# KiCad board Env-KB60F.kicad_pcb
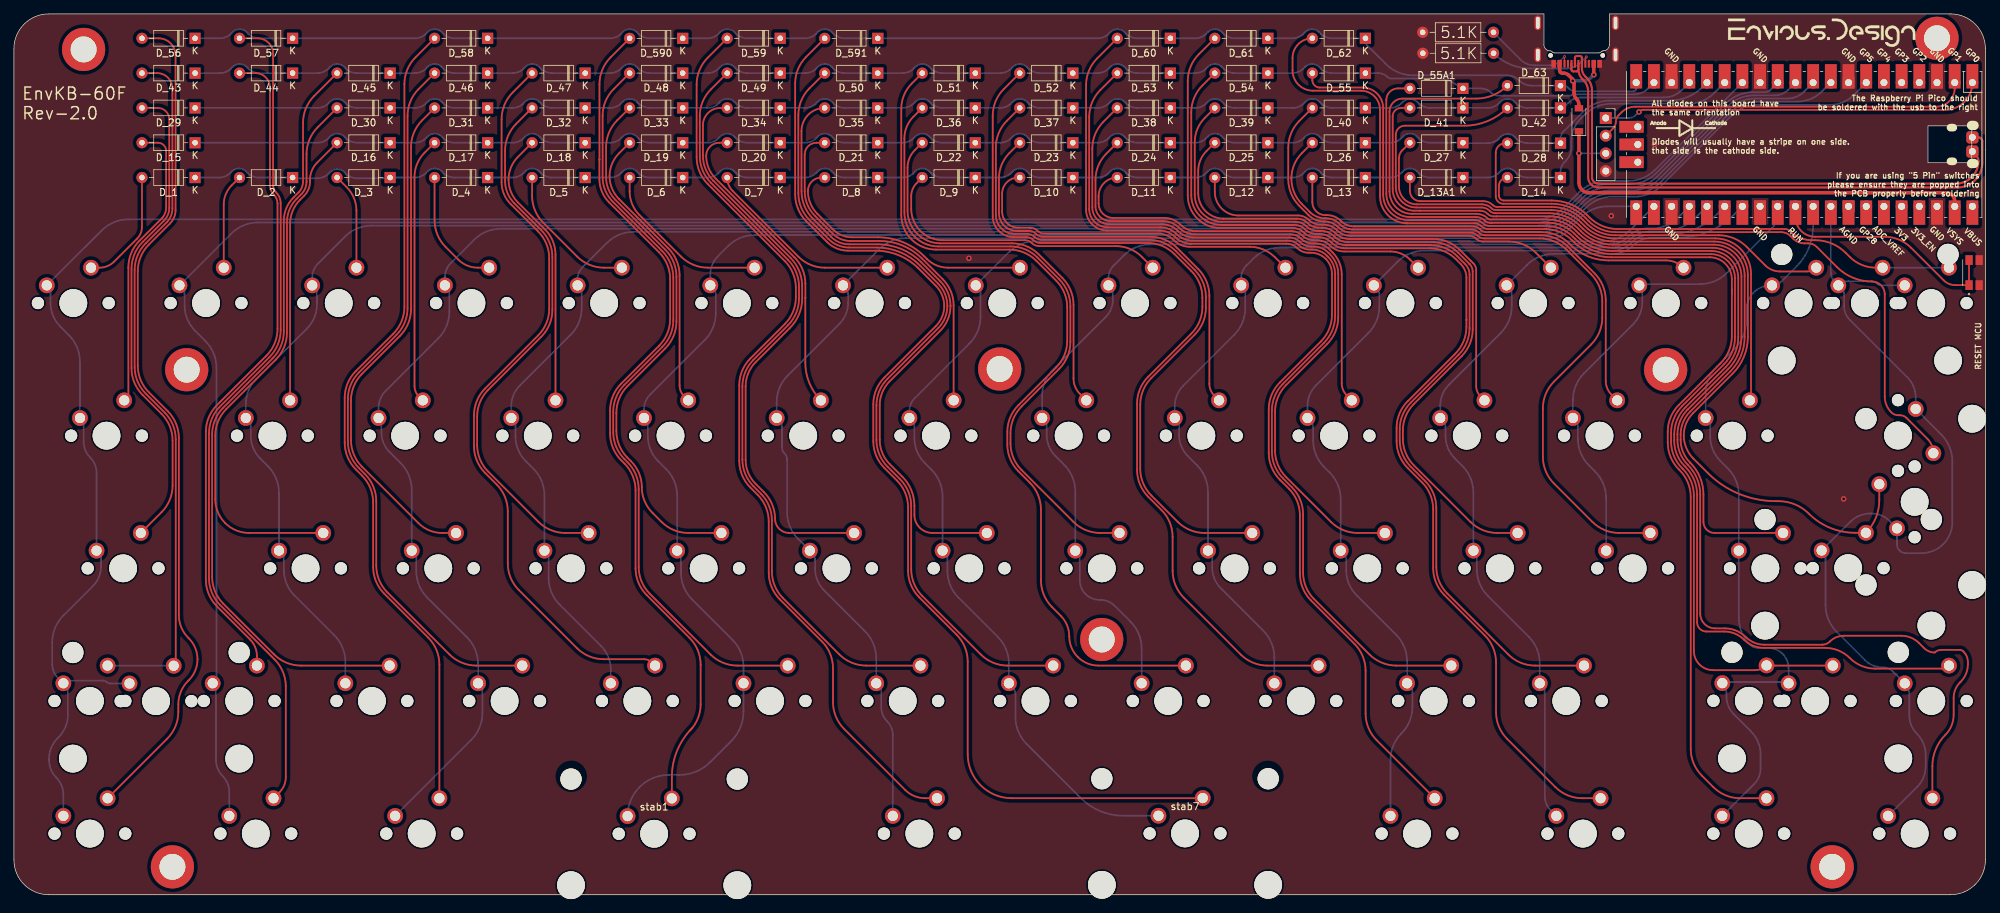
[diagram p0: board, top side]
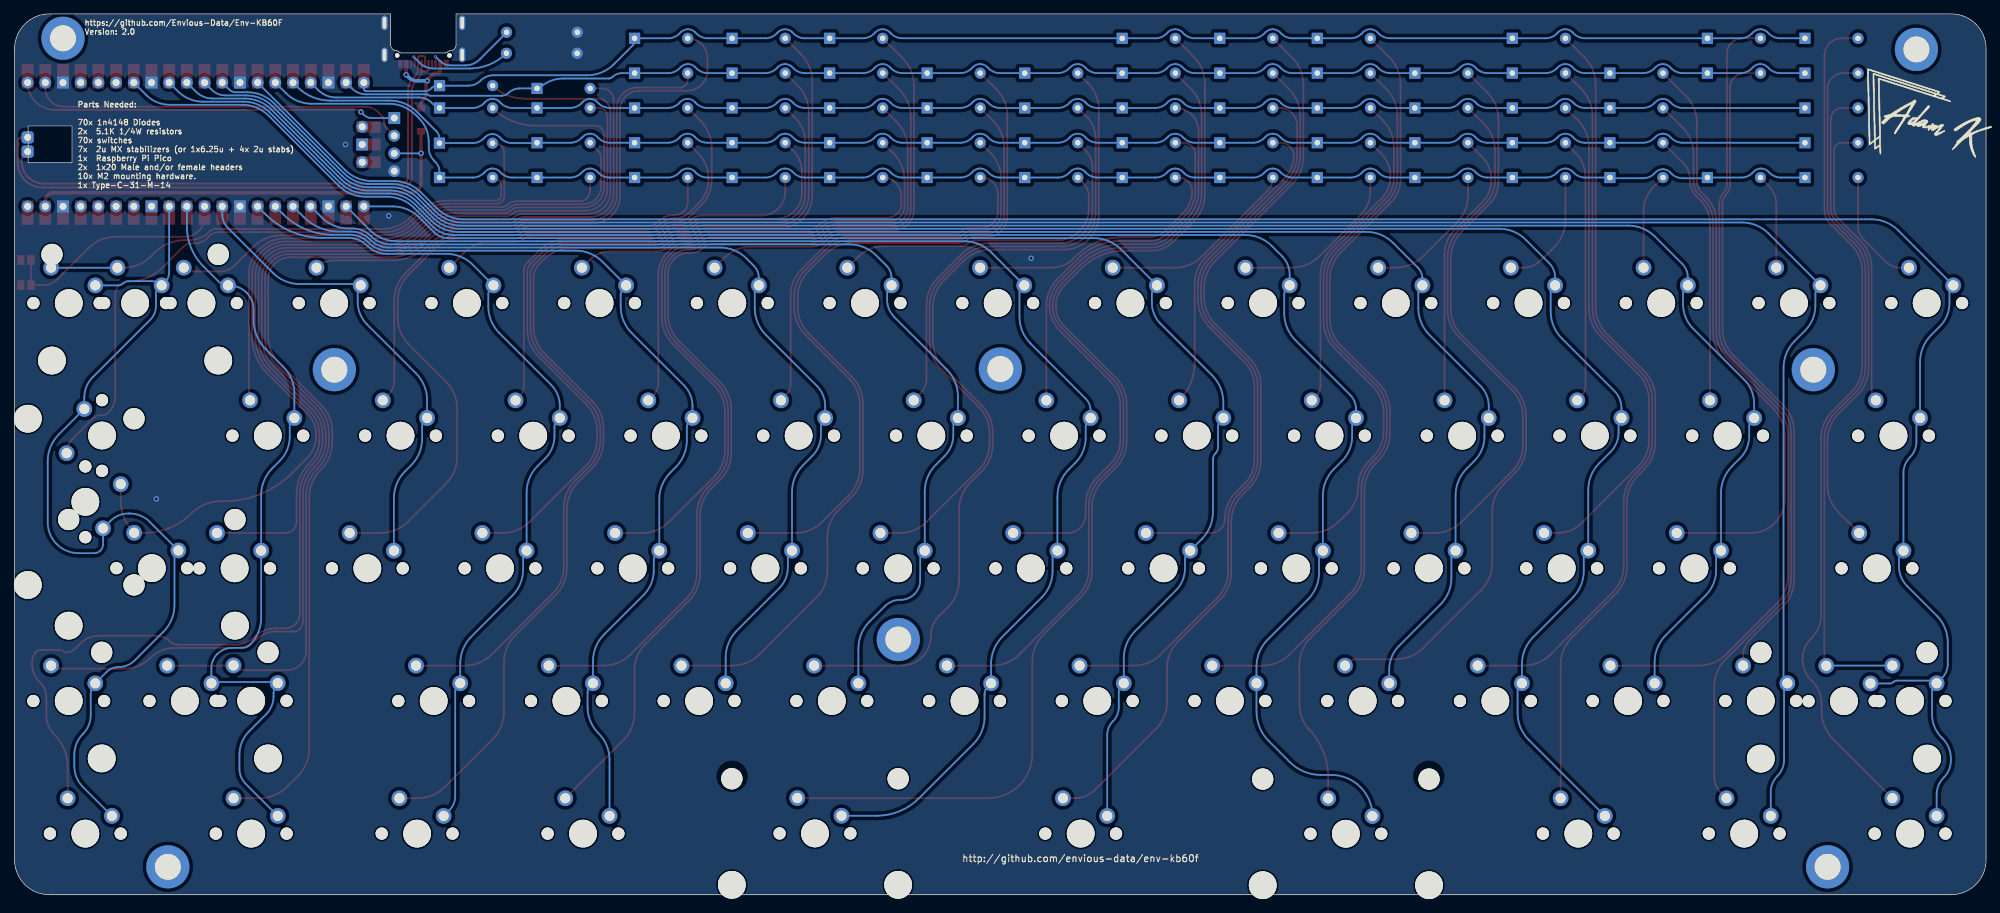
[diagram p1: board, bottom side, seen from below]

Outline 283 x 126.5 mm; copper layers: Top, Bottom. Coordinates in mm from the lower left corner of the outline.
Outline path: rectangle 274.75,110.42 281.05,105.12 ; 219.62,126.5 5,126.5 arc(1.46,125.04) 0,121.5 0,5 arc(1.46,1.46) 5,0 278,0 arc(281.54,1.46) 283,5 283,121.5 arc(281.54,125.04) 278,126.5 229.03,126.5
Stack: Top 0.035mm / dielectric 1.51mm FR4 er 4.5 / Bottom 0.035mm

## Placement (name value [footprint] x y rotation side)
5.1K1  5.1K 0402 Resistor  [R_Axial_DIN0207_L6.3mm_D2.5mm_P10.16mm_Horizontal]  212.4 120.85 180 top
5.1K2  5.1K 0402 Resistor  [R_Axial_DIN0207_L6.3mm_D2.5mm_P10.16mm_Horizontal]  202.22 123.86 0 top
D_1  D  [D_DO-35_SOD27_P7.62mm_Horizontal]  26 103 180 top
D_2  D  [D_DO-35_SOD27_P7.62mm_Horizontal]  40 103 180 top
D_3  D  [D_DO-35_SOD27_P7.62mm_Horizontal]  54 103 180 top
D_4  D  [D_DO-35_SOD27_P7.62mm_Horizontal]  68 103 180 top
D_5  D  [D_DO-35_SOD27_P7.62mm_Horizontal]  82 103 180 top
D_6  D  [D_DO-35_SOD27_P7.62mm_Horizontal]  96 103 180 top
D_7  D  [D_DO-35_SOD27_P7.62mm_Horizontal]  110 103 180 top
D_8  D  [D_DO-35_SOD27_P7.62mm_Horizontal]  124 103 180 top
D_9  D  [D_DO-35_SOD27_P7.62mm_Horizontal]  138 103 180 top
D_10  D  [D_DO-35_SOD27_P7.62mm_Horizontal]  152 103 180 top
D_11  D  [D_DO-35_SOD27_P7.62mm_Horizontal]  166 103 180 top
D_12  D  [D_DO-35_SOD27_P7.62mm_Horizontal]  180 103 180 top
D_13  D  [D_DO-35_SOD27_P7.62mm_Horizontal]  194 103 180 top
D_13A1  D  [D_DO-35_SOD27_P7.62mm_Horizontal]  208 103 180 top
D_14  D  [D_DO-35_SOD27_P7.62mm_Horizontal]  222 103 180 top
D_15  D  [D_DO-35_SOD27_P7.62mm_Horizontal]  26 108 180 top
D_16  D  [D_DO-35_SOD27_P7.62mm_Horizontal]  54 108 180 top
D_17  D  [D_DO-35_SOD27_P7.62mm_Horizontal]  68 108 180 top
D_18  D  [D_DO-35_SOD27_P7.62mm_Horizontal]  82 108 180 top
D_19  D  [D_DO-35_SOD27_P7.62mm_Horizontal]  96 108 180 top
D_20  D  [D_DO-35_SOD27_P7.62mm_Horizontal]  110 108 180 top
D_21  D  [D_DO-35_SOD27_P7.62mm_Horizontal]  124 108 180 top
D_22  D  [D_DO-35_SOD27_P7.62mm_Horizontal]  138 108 180 top
D_23  D  [D_DO-35_SOD27_P7.62mm_Horizontal]  152 108 180 top
D_24  D  [D_DO-35_SOD27_P7.62mm_Horizontal]  166 108 180 top
D_25  D  [D_DO-35_SOD27_P7.62mm_Horizontal]  180 108 180 top
D_26  D  [D_DO-35_SOD27_P7.62mm_Horizontal]  194 108 180 top
D_27  D  [D_DO-35_SOD27_P7.62mm_Horizontal]  208 108 180 top
D_28  D  [D_DO-35_SOD27_P7.62mm_Horizontal]  222.01 107.94 180 top
D_29  D  [D_DO-35_SOD27_P7.62mm_Horizontal]  26 113 180 top
D_30  D  [D_DO-35_SOD27_P7.62mm_Horizontal]  54 113 180 top
D_31  D  [D_DO-35_SOD27_P7.62mm_Horizontal]  68 113 180 top
D_32  D  [D_DO-35_SOD27_P7.62mm_Horizontal]  82 113 180 top
D_33  D  [D_DO-35_SOD27_P7.62mm_Horizontal]  96 113 180 top
D_34  D  [D_DO-35_SOD27_P7.62mm_Horizontal]  110 113 180 top
D_35  D  [D_DO-35_SOD27_P7.62mm_Horizontal]  124 113 180 top
D_36  D  [D_DO-35_SOD27_P7.62mm_Horizontal]  138 113 180 top
D_37  D  [D_DO-35_SOD27_P7.62mm_Horizontal]  152 113 180 top
D_38  D  [D_DO-35_SOD27_P7.62mm_Horizontal]  166 113 180 top
D_39  D  [D_DO-35_SOD27_P7.62mm_Horizontal]  180 113 180 top
D_40  D  [D_DO-35_SOD27_P7.62mm_Horizontal]  194 113 180 top
D_41  D  [D_DO-35_SOD27_P7.62mm_Horizontal]  208 113 180 top
D_42  D  [D_DO-35_SOD27_P7.62mm_Horizontal]  222 113 180 top
D_43  D  [D_DO-35_SOD27_P7.62mm_Horizontal]  26 118 180 top
D_44  D  [D_DO-35_SOD27_P7.62mm_Horizontal]  40 118 180 top
D_45  D  [D_DO-35_SOD27_P7.62mm_Horizontal]  54 118 180 top
D_46  D  [D_DO-35_SOD27_P7.62mm_Horizontal]  68 118 180 top
D_47  D  [D_DO-35_SOD27_P7.62mm_Horizontal]  82 118 180 top
D_48  D  [D_DO-35_SOD27_P7.62mm_Horizontal]  96 118 180 top
D_49  D  [D_DO-35_SOD27_P7.62mm_Horizontal]  110 118 180 top
D_50  D  [D_DO-35_SOD27_P7.62mm_Horizontal]  124 118 180 top
D_51  D  [D_DO-35_SOD27_P7.62mm_Horizontal]  138 118 180 top
D_52  D  [D_DO-35_SOD27_P7.62mm_Horizontal]  152 118 180 top
D_53  D  [D_DO-35_SOD27_P7.62mm_Horizontal]  166 118 180 top
D_54  D  [D_DO-35_SOD27_P7.62mm_Horizontal]  180 118 180 top
D_55  D  [D_DO-35_SOD27_P7.62mm_Horizontal]  194 118 180 top
D_55A1  D  [D_DO-35_SOD27_P7.62mm_Horizontal]  208 115.8 180 top
D_56  D  [D_DO-35_SOD27_P7.62mm_Horizontal]  26 123 180 top
D_57  D  [D_DO-35_SOD27_P7.62mm_Horizontal]  40 123 180 top
D_58  D  [D_DO-35_SOD27_P7.62mm_Horizontal]  68 123 180 top
D_59  D  [D_DO-35_SOD27_P7.62mm_Horizontal]  110 123 180 top
D_60  D  [D_DO-35_SOD27_P7.62mm_Horizontal]  166 123 180 top
D_61  D  [D_DO-35_SOD27_P7.62mm_Horizontal]  180 123 180 top
D_62  D  [D_DO-35_SOD27_P7.62mm_Horizontal]  194 123 180 top
D_63  D  [D_DO-35_SOD27_P7.62mm_Horizontal]  222 116.2 180 top
D_64  1n4007 SOD-123  [D_SOD-123]  224.65 111.3 90 top
D_590  D  [D_DO-35_SOD27_P7.62mm_Horizontal]  96 122.99 180 top
D_591  D  [D_DO-35_SOD27_P7.62mm_Horizontal]  124 122.99 180 top
G***  LOGO  [diode]  240 110.1 0 top
G***#2  LOGO  [logo]  7.98 112 180 bottom
H1  SMTSO2020CTJ  [MountingHole_2.2mm_M2-MODIFIED]  156.15 36.65 0 top
H2  SMTSO2020CTJ  [MountingHole_2.2mm_M2-MODIFIED]  22.75 4 0 top
H3  SMTSO2020CTJ  [MountingHole_2.2mm_M2-MODIFIED]  10 121.4 0 top
H4  SMTSO2020CTJ  [MountingHole_2.2mm_M2-MODIFIED]  24.8 75.4 0 top
H6  SMTSO2020CTJ  [MountingHole_2.2mm_M2-MODIFIED]  261 4 0 top
H9  SMTSO2020CTJ  [MountingHole_2.2mm_M2-MODIFIED]  141.5 75.5 0 top
H10  SMTSO2020CTJ  [MountingHole_2.2mm_M2-MODIFIED]  237.1 75.4 0 top
H11  SMTSO2020CTJ  [MountingHole_2.2mm_M2-MODIFIED]  276.05 123 0 top
J1  Conn_01x04  [PinSocket_1x04_P2.54mm_Vertical]  228.5 111.55 0 top
K_1  KEYSW  [MXOnly-1U-NoLED]  8.53 84.97 0 top
K_2  KEYSW  [MXOnly-1U-NoLED]  27.58 84.97 0 top
K_3  KEYSW  [MXOnly-1U-NoLED]  46.62 84.97 0 top
K_4  KEYSW  [MXOnly-1U-NoLED]  65.68 84.97 0 top
K_5  KEYSW  [MXOnly-1U-NoLED]  84.72 84.97 0 top
K_6  KEYSW  [MXOnly-1U-NoLED]  103.78 84.97 0 top
K_7  KEYSW  [MXOnly-1U-NoLED]  122.82 84.97 0 top
K_8  KEYSW  [MXOnly-1U-NoLED]  141.88 84.97 0 top
K_9  KEYSW  [MXOnly-1U-NoLED]  160.93 84.97 0 top
K_10  KEYSW  [MXOnly-1U-NoLED]  179.98 84.97 0 top
K_11  KEYSW  [MXOnly-1U-NoLED]  199.02 84.97 0 top
K_12  KEYSW  [MXOnly-1U-NoLED]  218.07 84.97 0 top
K_13  KEYSW  [MXOnly-1U-NoLED]  237.12 84.97 0 top
K_13A1  KEYSW  [MXOnly-1U-NoLED]  256.18 84.97 0 top
K_14  KEYSW  [MXOnly-1U-NoLED]  265.7 84.97 0 top
K_14B1  KEYSW  [MXOnly-1U-NoLED]  275.22 84.97 0 top
K_15  KEYSW  [MXOnly-1U-NoLED]  13.29 65.92 0 top
K_16  KEYSW  [MXOnly-1U-NoLED]  37.1 65.92 0 top
K_17  KEYSW  [MXOnly-1U-NoLED]  56.15 65.92 0 top
K_18  KEYSW  [MXOnly-1U-NoLED]  75.2 65.92 0 top
K_19  KEYSW  [MXOnly-1U-NoLED]  94.25 65.92 0 top
K_20  KEYSW  [MXOnly-1U-NoLED]  113.3 65.92 0 top
K_21  KEYSW  [MXOnly-1U-NoLED]  132.35 65.92 0 top
K_22  KEYSW  [MXOnly-1U-NoLED]  151.4 65.92 0 top
K_23  KEYSW  [MXOnly-1U-NoLED]  170.45 65.92 0 top
K_24  KEYSW  [MXOnly-1U-NoLED]  189.5 65.92 0 top
K_25  KEYSW  [MXOnly-1U-NoLED]  208.55 65.92 0 top
K_26  KEYSW  [MXOnly-1U-NoLED]  227.6 65.92 0 top
K_27  KEYSW  [MXOnly-1U-NoLED]  246.65 65.92 0 top
K_28  KEYSW  [MXOnly-1U-NoLED]  270.45 65.95 270 top
K_29  KEYSW  [MXOnly-1U-NoLED]  263.3 46.9 0 top
K_30  KEYSW  [MXOnly-1U-NoLED]  15.67 46.88 0 top
K_31  KEYSW  [MXOnly-1U-NoLED]  41.86 46.88 0 top
K_32  KEYSW  [MXOnly-1U-NoLED]  60.91 46.88 0 top
K_33  KEYSW  [MXOnly-1U-NoLED]  79.96 46.88 0 top
K_34  KEYSW  [MXOnly-1U-NoLED]  99.01 46.88 0 top
K_35  KEYSW  [MXOnly-1U-NoLED]  118.06 46.88 0 top
K_36  KEYSW  [MXOnly-1U-NoLED]  137.11 46.88 0 top
K_37  KEYSW  [MXOnly-1U-NoLED]  156.16 46.88 0 top
K_38  KEYSW  [MXOnly-1U-NoLED]  175.21 46.88 0 top
K_39  KEYSW  [MXOnly-1U-NoLED]  194.26 46.88 0 top
K_40  KEYSW  [MXOnly-1U-NoLED]  213.31 46.88 0 top
K_41  KEYSW  [MXOnly-1U-NoLED]  232.36 46.88 0 top
K_42  KEYSW  [MXOnly-1U-NoLED]  251.41 46.88 0 top
K_43  KEYSW  [MXOnly-1U-NoLED]  272.84 56.42 90 top
K_44  KEYSW  [MXOnly-1U-NoLED]  20.4 27.8 0 top
K_45  KEYSW  [MXOnly-1U-NoLED]  10.91 27.82 0 top
K_46  KEYSW  [MXOnly-1U-NoLED]  32.34 27.82 0 top
K_47  KEYSW  [MXOnly-1U-NoLED]  51.39 27.82 0 top
K_48  KEYSW  [MXOnly-1U-NoLED]  70.44 27.82 0 top
K_49  KEYSW  [MXOnly-1U-NoLED]  89.49 27.82 0 top
K_50  KEYSW  [MXOnly-1U-NoLED]  108.54 27.82 0 top
K_51  KEYSW  [MXOnly-1U-NoLED]  127.59 27.82 0 top
K_52  KEYSW  [MXOnly-1U-NoLED]  146.64 27.82 0 top
K_53  KEYSW  [MXOnly-1U-NoLED]  165.69 27.82 0 top
K_54  KEYSW  [MXOnly-1U-NoLED]  184.74 27.82 0 top
K_55  KEYSW  [MXOnly-1U-NoLED]  203.79 27.82 0 top
K_56  KEYSW  [MXOnly-1U-NoLED]  222.84 27.82 0 top
K_57  KEYSW  [MXOnly-1U-NoLED]  258.56 27.82 0 top
K_57A1  KEYSW  [MXOnly-1U-NoLED]  275.23 27.82 0 top
K_57B1  KEYSW  [MXOnly-1.75U-NoLED]  249.04 27.85 0 top
K_58  KEYSW  [MXOnly-1U-NoLED]  10.91 8.78 0 top
K_59  KEYSW  [MXOnly-1U-NoLED]  34.72 8.78 0 top
K_60  KEYSW  [MXOnly-1U-NoLED]  58.53 8.78 0 top
K_61  KEYSW  [MXOnly-1U-NoLED]  129.97 8.78 0 top
K_62  KEYSW  [MXOnly-1U-NoLED]  201.41 8.78 0 top
K_63  KEYSW  [MXOnly-1U-NoLED]  225.22 8.78 0 top
K_64  KEYSW  [MXOnly-1U-NoLED]  249.03 8.78 0 top
K_65  KEYSW  [MXOnly-1U-NoLED]  272.84 8.78 0 top
K_610  KEYSW  [MXOnly-1U-NoLED]  91.9 8.75 0 top
K_612  KEYSW  [MXOnly-1U-NoLED]  168.11 8.8 0 top
kibuzzard-627518B3  G***  [kibuzzard-627518B3]  259.5 123.8 0 top
stab1  MX Stabilizer  [Stabilizer_Cherry_MX_2u]  91.9 9.62 0 top
stab2  MX Stabilizer  [Stabilizer_Cherry_MX_2u]  265.7 84.97 0 top
stab3  MX Stabilizer  [Stabilizer_Cherry_MX_2u]  20.4 27.8 0 top
stab4  MX Stabilizer  [Stabilizer_Cherry_MX_2u]  272.84 56.42 90 top
stab5  MX Stabilizer  [Stabilizer_Cherry_MX_2u]  263.3 46.9 0 top
stab7  MX Stabilizer  [Stabilizer_Cherry_MX_2u]  168.11 9.67 0 top
stab8  MX Stabilizer  [Stabilizer_Cherry_MX_2u]  258.56 27.82 0 top
SW1  EVQ-P7A01P  [Panasonic-EVQ-P7A01P-0-0-MFG]  281.7 89.35 90 top
U1  Pico  [RPi_Pico_SMD_TH_MODIFIED]  257 107.75 270 top
USB1  HRO-TYPE-C-31-M-14  [USB_C_TYPE-C-31-M-14]  224.32 122.2 180 top

## Library data of the parts
5.1K1 5.1K2 = -: Description: Resistor, small symbol
D_1-D_13 D_13A1 D_14-D_55 D_55A1 D_56-D_64 D_590 D_591 = -: Description: Diode, small symbol
H1-H4 H6 H9-H11 = -: Description: Mounting Hole with connection
J1 = -: Description: Generic connector, single row, 01x04, script generated (kicad-library-utils/schlib/autogen/connector/)
stab1-stab5 stab7 stab8 = -: Description: Mounting Hole without connection
USB1 = -: LCSC: C319148; MPN: U262-161N-4BVC11; Manufacturer: XKB Enterprise

## Footprints (pads in the part's own frame, mm; a bottom-side part is the same pattern mirrored in y, then rotated)
D_DO-35_SOD27_P7.62mm_Horizontal
  rect 1.6x1.6 hole 0.8: 1(0,0)
  oval 1.6x1.6 hole 0.8: 2(7.62,0)
D_SOD-123
  rect 0.9x1.2 smd: 1(-1.65,0) 2(1.65,0)
MountingHole_2.2mm_M2-MODIFIED
  round 6.2 hole 3.73 unplated: (0,0)
MXOnly-1.75U-NoLED
  round 1.75 hole 1.75 unplated: (-5.08,0) (5.08,0)
  round 3.988 hole 3.988 unplated: (0,0)
  round 2.25 hole 1.47: 1(-3.81,2.54) 2(2.54,5.08)
MXOnly-1U-NoLED
  round 1.75 hole 1.75 unplated: (-5.08,0) (5.08,0)
  round 3.988 hole 3.988 unplated: (0,0)
  round 2.25 hole 1.47: 1(-3.81,2.54) 2(2.54,5.08)
Panasonic-EVQ-P7A01P-0-0-MFG
  rect 1.4x1.05 smd: 1(-1.8,1.05) 1'(1.8,1.05) 2(-1.8,-0.4) 2'(1.8,-0.4)
PinSocket_1x04_P2.54mm_Vertical
  rect 1.7x1.7 hole 1: 1(0,0)
  oval 1.7x1.7 hole 1: 2(0,-2.54) 3(0,-5.08) 4(0,-7.62)
R_Axial_DIN0207_L6.3mm_D2.5mm_P10.16mm_Horizontal
  round 1.6 hole 0.8: 1(0,0)
  oval 1.6x1.6 hole 0.8: 2(10.16,0)
RPi_Pico_SMD_TH_MODIFIED
  oval 1.35x1.7 smd: (-2.73,24.19) (2.73,24.19)
  oval 1.1x1.5 smd: (-2.42,21.19) (2.42,21.19)
  oval 1.7x1.7 hole 1.02: 1(-8.89,24.13) 2(-8.89,21.59) 4(-8.89,16.51) 5(-8.89,13.97) 6(-8.89,11.43) 7(-8.89,8.89) 9(-8.89,3.81) 10(-8.89,1.27) 11(-8.89,-1.27) 12(-8.89,-3.81) 14(-8.89,-8.89) 15(-8.89,-11.43) 16(-8.89,-13.97) 17(-8.89,-16.51) 19(-8.89,-21.59) 20(-8.89,-24.13) 21(8.89,-24.13) 22(8.89,-21.59) 24(8.89,-16.51) 25(8.89,-13.97) 26(8.89,-11.43) 27(8.89,-8.89) 29(8.89,-3.81) 30(8.89,-1.27) 31(8.89,1.27) 32(8.89,3.81) 34(8.89,8.89) 35(8.89,11.43) 36(8.89,13.97) 37(8.89,16.51) 39(8.89,21.59) 40(8.89,24.13) 41(-2.54,-23.9) 43(2.54,-23.9)
  rect 3.5x1.7 smd: 1(-8.89,24.13) 2(-8.89,21.59) 3(-8.89,19.05) 4(-8.89,16.51) 5(-8.89,13.97) 6(-8.89,11.43) 7(-8.89,8.89) 8(-8.89,6.35) 9(-8.89,3.81) 10(-8.89,1.27) 11(-8.89,-1.27) 12(-8.89,-3.81) 13(-8.89,-6.35) 14(-8.89,-8.89) 15(-8.89,-11.43) 16(-8.89,-13.97) 17(-8.89,-16.51) 18(-8.89,-19.05) 19(-8.89,-21.59) 20(-8.89,-24.13) 21(8.89,-24.13) 22(8.89,-21.59) 23(8.89,-19.05) 24(8.89,-16.51) 25(8.89,-13.97) 26(8.89,-11.43) 27(8.89,-8.89) 28(8.89,-6.35) 29(8.89,-3.81) 30(8.89,-1.27) 31(8.89,1.27) 32(8.89,3.81) 33(8.89,6.35) 34(8.89,8.89) 35(8.89,11.43) 36(8.89,13.97) 37(8.89,16.51) 38(8.89,19.05) 39(8.89,21.59) 40(8.89,24.13)
  rect 1.7x1.7 hole 1.02: 3(-8.89,19.05) 8(-8.89,6.35) 13(-8.89,-6.35) 18(-8.89,-19.05) 23(8.89,-19.05) 28(8.89,-6.35) 33(8.89,6.35) 38(8.89,19.05) 42(0,-23.9)
  rect 1.7x3.5 smd: 41(-2.54,-23.9) 42(0,-23.9) 43(2.54,-23.9)
  rrect 1.75x1.75 hole 1: TP2(1.016,24.125) TP3(-1.016,24.125)
Stabilizer_Cherry_MX_2u
  round 3.048 hole 3.048 unplated: (-11.938,6.985) (11.938,6.985)
  round 3.988 hole 3.988 unplated: (-11.938,-8.255) (11.938,-8.255)
USB_C_TYPE-C-31-M-14
  oval 1.2x2.4 smd: (-5.675,1.58) (-5.675,-3.02) (5.675,1.58) (5.675,-3.02)
  round 0.65 hole 0.65 unplated: (-3.75,1.66) (3.75,1.66)
  rect 0.6x1.1 smd: A1(-3.3,2.86) A4(-2.45,2.86) A9(2.45,2.86) A12(3.3,2.86) B1(3.3,2.86) B4(2.45,2.86) B9(-2.45,2.86) B12(-3.3,2.86)
  rect 0.3x1.1 smd: A5(-1.25,2.86) A6(-0.25,2.86) A7(0.25,2.86) A8(1.25,2.86) B5(1.75,2.86) B6(0.75,2.86) B7(-0.75,2.86) B8(-1.75,2.86)
  oval 0.9x2.1 hole 0.5x1.7: S1(-5.575,1.58) S1(-5.575,-3.02) S1(5.575,1.58) S1(5.575,-3.02)

## Nets
GND: 5.1K1.2 5.1K2.1 J1.4 SW1.2 SW1.2' U1.3 U1.8 U1.13 U1.18 U1.23 U1.28 U1.38 USB1.A1 USB1.A12 USB1.B1 USB1.B12 USB1.S1
VBUS: D_64.2 USB1.A4 USB1.A9 USB1.B4 USB1.B9
col0: K_1.1 K_15.1 K_30.1 K_44.1 K_45.1 K_58.1 U1.14
col1: K_2.1 K_46.1 K_59.1 U1.12
col2: K_3.1 K_16.1 K_31.1 K_47.1 U1.11
col3: K_4.1 K_17.1 K_32.1 K_48.1 K_60.1 U1.10
col4: K_5.1 K_18.1 K_33.1 K_49.1 U1.9
col5: K_6.1 K_19.1 K_34.1 K_50.1 K_610.1 U1.7
col6: K_7.1 K_20.1 K_35.1 K_51.1 K_61.1 U1.21
col7: K_8.1 K_21.1 K_36.1 K_52.1 K_612.1 U1.22
col8: K_9.1 K_22.1 K_37.1 K_53.1 U1.24
col9: K_10.1 K_23.1 K_38.1 K_54.1 U1.25
col10: K_11.1 K_24.1 K_39.1 K_55.1 K_62.1 U1.26
col11: K_12.1 K_25.1 K_40.1 K_56.1 K_63.1 U1.27
col12: K_13.1 K_26.1 K_41.1 U1.29
col13: K_13A1.1 K_27.1 K_42.1 K_57.1 K_57B1.1 K_64.1 U1.31
col14: K_14.1 K_14B1.1 K_28.1 K_29.1 K_43.1 K_57A1.1 K_65.1 U1.32
row0: D_1.1 D_2.1 D_3.1 D_4.1 D_5.1 D_6.1 D_7.1 D_8.1 D_9.1 D_10.1 D_11.1 D_12.1 D_13.1 D_13A1.1 D_14.1 U1.15
row1: D_15.1 D_16.1 D_17.1 D_18.1 D_19.1 D_20.1 D_21.1 D_22.1 D_23.1 D_24.1 D_25.1 D_26.1 D_27.1 D_28.1 U1.16
row2: D_29.1 D_30.1 D_31.1 D_32.1 D_33.1 D_34.1 D_35.1 D_36.1 D_37.1 D_38.1 D_39.1 D_40.1 D_41.1 D_42.1 U1.17
row3: D_43.1 D_44.1 D_45.1 D_46.1 D_47.1 D_48.1 D_49.1 D_50.1 D_51.1 D_52.1 D_53.1 D_54.1 D_55.1 D_55A1.1 U1.19
row4: D_56.1 D_57.1 D_58.1 D_59.1 D_60.1 D_61.1 D_62.1 D_63.1 D_590.1 D_591.1 U1.20
RUNPIN: SW1.1 SW1.1' U1.30
SCL: J1.2 U1.2
SDA: J1.1 U1.1
USB2_N: U1.TP2 USB1.A7 USB1.B7
USB2_P: U1.TP3 USB1.A6 USB1.B6
VSYS: D_64.1 J1.3 U1.39
Net-(D_1-A): D_1.2 K_1.2
Net-(D_2-A): D_2.2 K_2.2
Net-(D_3-A): D_3.2 K_3.2
Net-(D_4-A): D_4.2 K_4.2
Net-(D_5-A): D_5.2 K_5.2
Net-(D_6-A): D_6.2 K_6.2
Net-(D_7-A): D_7.2 K_7.2
Net-(D_8-A): D_8.2 K_8.2
Net-(D_9-A): D_9.2 K_9.2
Net-(D_10-A): D_10.2 K_10.2
Net-(D_11-A): D_11.2 K_11.2
Net-(D_12-A): D_12.2 K_12.2
Net-(D_13-A): D_13.2 K_13.2
Net-(D_13A1-A): D_13A1.2 K_13A1.2
Net-(D_14-A): D_14.2 K_14.2 K_14B1.2
Net-(D_15-A): D_15.2 K_15.2
Net-(D_16-A): D_16.2 K_16.2
Net-(D_17-A): D_17.2 K_17.2
Net-(D_18-A): D_18.2 K_18.2
Net-(D_19-A): D_19.2 K_19.2
Net-(D_20-A): D_20.2 K_20.2
Net-(D_21-A): D_21.2 K_21.2
Net-(D_22-A): D_22.2 K_22.2
Net-(D_23-A): D_23.2 K_23.2
Net-(D_24-A): D_24.2 K_24.2
Net-(D_25-A): D_25.2 K_25.2
Net-(D_26-A): D_26.2 K_26.2
Net-(D_27-A): D_27.2 K_27.2
Net-(D_28-A): D_28.2 K_28.2
Net-(D_29-A): D_29.2 K_30.2
Net-(D_30-A): D_30.2 K_31.2
Net-(D_31-A): D_31.2 K_32.2
Net-(D_32-A): D_32.2 K_33.2
Net-(D_33-A): D_33.2 K_34.2
Net-(D_34-A): D_34.2 K_35.2
Net-(D_35-A): D_35.2 K_36.2
Net-(D_36-A): D_36.2 K_37.2
Net-(D_37-A): D_37.2 K_38.2
Net-(D_38-A): D_38.2 K_39.2
Net-(D_39-A): D_39.2 K_40.2
Net-(D_40-A): D_40.2 K_41.2
Net-(D_41-A): D_41.2 K_42.2
Net-(D_42-A): D_42.2 K_29.2 K_43.2
Net-(D_43-A): D_43.2 K_44.2 K_45.2
Net-(D_44-A): D_44.2 K_46.2
Net-(D_45-A): D_45.2 K_47.2
Net-(D_46-A): D_46.2 K_48.2
Net-(D_47-A): D_47.2 K_49.2
Net-(D_48-A): D_48.2 K_50.2
Net-(D_49-A): D_49.2 K_51.2
Net-(D_50-A): D_50.2 K_52.2
Net-(D_51-A): D_51.2 K_53.2
Net-(D_52-A): D_52.2 K_54.2
Net-(D_53-A): D_53.2 K_55.2
Net-(D_54-A): D_54.2 K_56.2
Net-(D_55-A): D_55.2 K_57.2 K_57B1.2
Net-(D_55A1-A): D_55A1.2 K_57A1.2
Net-(D_56-A): D_56.2 K_58.2
Net-(D_57-A): D_57.2 K_59.2
Net-(D_58-A): D_58.2 K_60.2
Net-(D_59-A): D_59.2 K_61.2
Net-(D_60-A): D_60.2 K_62.2
Net-(D_61-A): D_61.2 K_63.2
Net-(D_62-A): D_62.2 K_64.2
Net-(D_63-A): D_63.2 K_65.2
Net-(D_590-A): D_590.2 K_610.2
Net-(D_591-A): D_591.2 K_612.2
Net-(USB1-CC1): 5.1K1.1 USB1.A5
Net-(USB1-CC2): 5.1K2.2 USB1.B5

Pads without a net: U1 4 5 6 33 34 35 36 37 40 41 42 43; USB1 A8 B8

## Via types
v1: diameter 0.4, hole 0.2, Top to Bottom, 2 vias
v2: diameter 0.8, hole 0.4, Top to Bottom, 8 vias

## Routing (per net, layer and track width the routed paths; a pad name or vN(x,y) marks a point on that pad's centre or on a via; arc(x,y) is an arc through that point)
GND:
  vias: v2(137.08,91.4) v2(229.3,97.5) v2(235.5,107.75) v2(262.65,56.85)
VBUS: length 12.7
  Top w0.5: v2(226.79,117.77) 226.78,117.77 arc(226.78,117.78) 226.77,117.79 USB1.A4 ; D_64.2 224.65,113.46 arc(224.56,113.91) 224.3,114.3 arc(224.04,114.69) 223.95,115.14 223.95,116.56 arc(223.92,116.69) 223.85,116.8 v2(223.75,116.9) 223.75,117.01 arc(223.73,117.11) 223.67,117.2 223.16,117.71 arc(222.86,117.91) 222.51,117.98 222.29,117.98 arc(222.13,118.01) 222,118.1 arc(221.91,118.24) 221.88,118.4 USB1.A9
  Bottom w0.5: v2(226.79,117.77) 226.36,117.33 arc(225.88,117.01) 225.31,116.9 v2(223.75,116.9)
col0: length 343.7
  Bottom w0.25: U1.14 235.56,104.09 arc(233.8,102.91) 231.72,102.5 228.55,102.5 arc(226.47,102.09) 224.71,100.91 222.39,98.59 arc(220.63,97.41) 218.55,97 16.45,97 arc(14.37,96.59) 12.61,95.41 K_1.1 ; K_15.1 9.48,76.52 arc(9.06,78.6) 7.88,80.37 6.66,81.59 arc(5.62,83.15) 5.25,84.99 5.25,86.98 ; 12.5,48.77 12.5,47.14 arc(12.2,45.62) 11.34,44.34 7.09,40.09 arc(5.91,38.33) 5.5,36.25 5.5,33.09 arc(5.71,32.05) 6.3,31.16 7.1,30.37 ; K_30.1 11.86,60.58 arc(11.62,61.79) 10.93,62.82 arc(10.24,63.85) 10,65.06 10,67.94 ; K_58.1 7.1,14.36 arc(6.83,15.69) 6.07,16.83 arc(5.32,17.96) 5.05,19.3 5.05,19.55 arc(5.36,21.12) 6.25,22.45 6.4,22.6 arc(7.4,24.1) 7.75,25.86 7.75,29.71 ; 7.48,30.75 12.81,30.75 arc(13.08,30.7) 13.31,30.54 arc(13.53,30.39) 13.8,30.34 K_44.1
col1: length 316.6
  Bottom w0.25: K_59.1 30.91,14.74 arc(30.66,15.99) 29.95,17.05 arc(29.25,18.1) 29,19.35 29,29.89 ; 24.13,87.88 31.21,94.96 arc(32.97,96.14) 35.05,96.55 218.75,96.55 arc(220.83,96.96) 222.59,98.14 224.91,100.46 arc(226.67,101.64) 228.75,102.05 231.9,102.05 arc(233.98,102.46) 235.75,103.64 245.79,113.68 arc(247.53,114.84) 249.58,115.25 251.27,115.25 arc(251.76,115.35) 252.18,115.63 U1.12 ; 29.07,30.91 29.07,75.67 arc(28.66,77.76) 27.48,79.52 26.01,80.99 arc(24.89,82.66) 24.5,84.64 24.5,86.26 arc(24.4,86.74) 24.13,87.15
col2: length 288.2
  Bottom w0.25: K_31.1 38.05,57.69 arc(37.64,59.78) 36.46,61.54 35.33,62.67 arc(34.35,64.14) 34,65.88 34,67.25 arc(33.91,67.72) 33.64,68.11 ; U1.11 254.68,115.59 arc(253.81,115.01) 252.77,114.8 249.76,114.8 arc(247.71,114.39) 245.97,113.23 235.94,103.19 arc(234.17,102.01) 232.09,101.6 228.94,101.6 arc(226.86,101.19) 225.09,100.01 222.78,97.69 arc(221.01,96.51) 218.93,96.1 51.35,96.1 arc(49.27,95.69) 47.51,94.51 43.63,90.63 arc(43.03,89.73) 42.81,88.67 K_3.1 ; 33.29,68.97 33.29,70.5 arc(33.66,72.38) 34.73,73.98 42.06,81.31 arc(43.13,82.91) 43.5,84.79 43.5,86.83 ; 47.58,30.37 47.58,33.42 arc(47.16,35.5) 45.98,37.27 40.24,43.01 arc(39.14,44.66) 38.75,46.61 38.75,48.72
col3: length 295.7
  Bottom w0.25: 57.75,48.77 57.75,46.5 arc(58.16,44.42) 59.34,42.66 65.03,36.97 arc(66.21,35.2) 66.63,33.12 66.63,30.37 ; K_32.1 57.1,58.14 arc(56.69,60.23) 55.51,61.99 53.92,63.58 arc(53.05,64.88) 52.75,66.4 52.75,68.06 ; 67.25,29.74 67.25,26.1 arc(66.84,24.02) 65.66,22.25 K_60.1 ; K_17.1 52.34,69.9 arc(52.6,71.23) 53.36,72.36 60.91,79.91 arc(62.09,81.67) 62.5,83.75 62.5,86.88 ; K_4.1 61.87,88.69 arc(62.08,89.78) 62.7,90.7 66.06,94.06 arc(67.82,95.24) 69.9,95.65 219.13,95.65 arc(221.21,96.06) 222.97,97.24 225.29,99.56 arc(227.05,100.74) 229.13,101.15 232.28,101.15 arc(234.36,101.56) 236.12,102.74 246.16,112.78 arc(247.9,113.94) 249.95,114.35 254.58,114.35 arc(255.87,114.61) 256.97,115.34 U1.10
col4: length 254.3
  Bottom w0.25: K_33.1 76.15,57.34 arc(75.74,59.43) 74.56,61.19 73.45,62.3 arc(72.38,63.91) 72,65.8 72,67.86 ; U1.9 259.55,115.38 arc(257.91,114.28) 255.98,113.9 250.14,113.9 arc(248.08,113.49) 246.34,112.33 236.31,102.29 arc(234.54,101.11) 232.46,100.7 229.32,100.7 arc(227.24,100.29) 225.47,99.11 223.16,96.79 arc(221.39,95.61) 219.31,95.2 88.95,95.2 arc(86.87,94.79) 85.11,93.61 81.59,90.09 arc(81.09,89.34) 80.91,88.47 ; 81.5,86.93 81.5,84.25 arc(81.09,82.17) 79.91,80.41 72.6,73.1 arc(71.7,71.76) 71.39,70.18 K_18.1 ; 85.68,30.37 85.68,32.34 arc(85.31,34.17) 84.28,35.72 78.34,41.66 arc(77.16,43.42) 76.75,45.5 76.75,48.82
col5: length 270.7
  Bottom w0.25: K_34.1 95.2,57.29 arc(94.79,59.38) 93.61,61.14 92.47,62.28 arc(91.38,63.91) 91,65.83 91,67.91 ; 95.75,48.87 95.75,46.25 arc(96.16,44.17) 97.34,42.41 103.13,36.62 arc(104.31,34.85) 104.73,32.77 104.73,26.3 arc(104.27,24.02) 102.98,22.08 99.94,19.04 arc(97.9,17.68) 95.5,17.2 94,17.2 arc(89.82,15.47) K_610.1 ; 99.97,88.07 99.97,89.06 arc(100.25,90.5) 101.06,91.71 102.51,93.16 arc(104.27,94.34) 106.35,94.75 220.05,94.75 arc(221.62,95.06) 222.96,95.95 225.66,98.66 arc(227.42,99.84) 229.51,100.25 232.65,100.25 arc(234.73,100.66) 236.5,101.84 246.53,111.88 arc(248.27,113.04) 250.32,113.45 260.73,113.45 arc(262.55,113.81) 264.09,114.84 U1.7 ; K_19.1 90.44,69.7 arc(90.67,70.85) 91.32,71.82 99.16,79.66 arc(100.34,81.42) 100.75,83.5 100.75,86.17 arc(100.65,86.69) 100.36,87.12